# Altium PCB PCB1.PcbDoc (part 1 of 2) (continued)
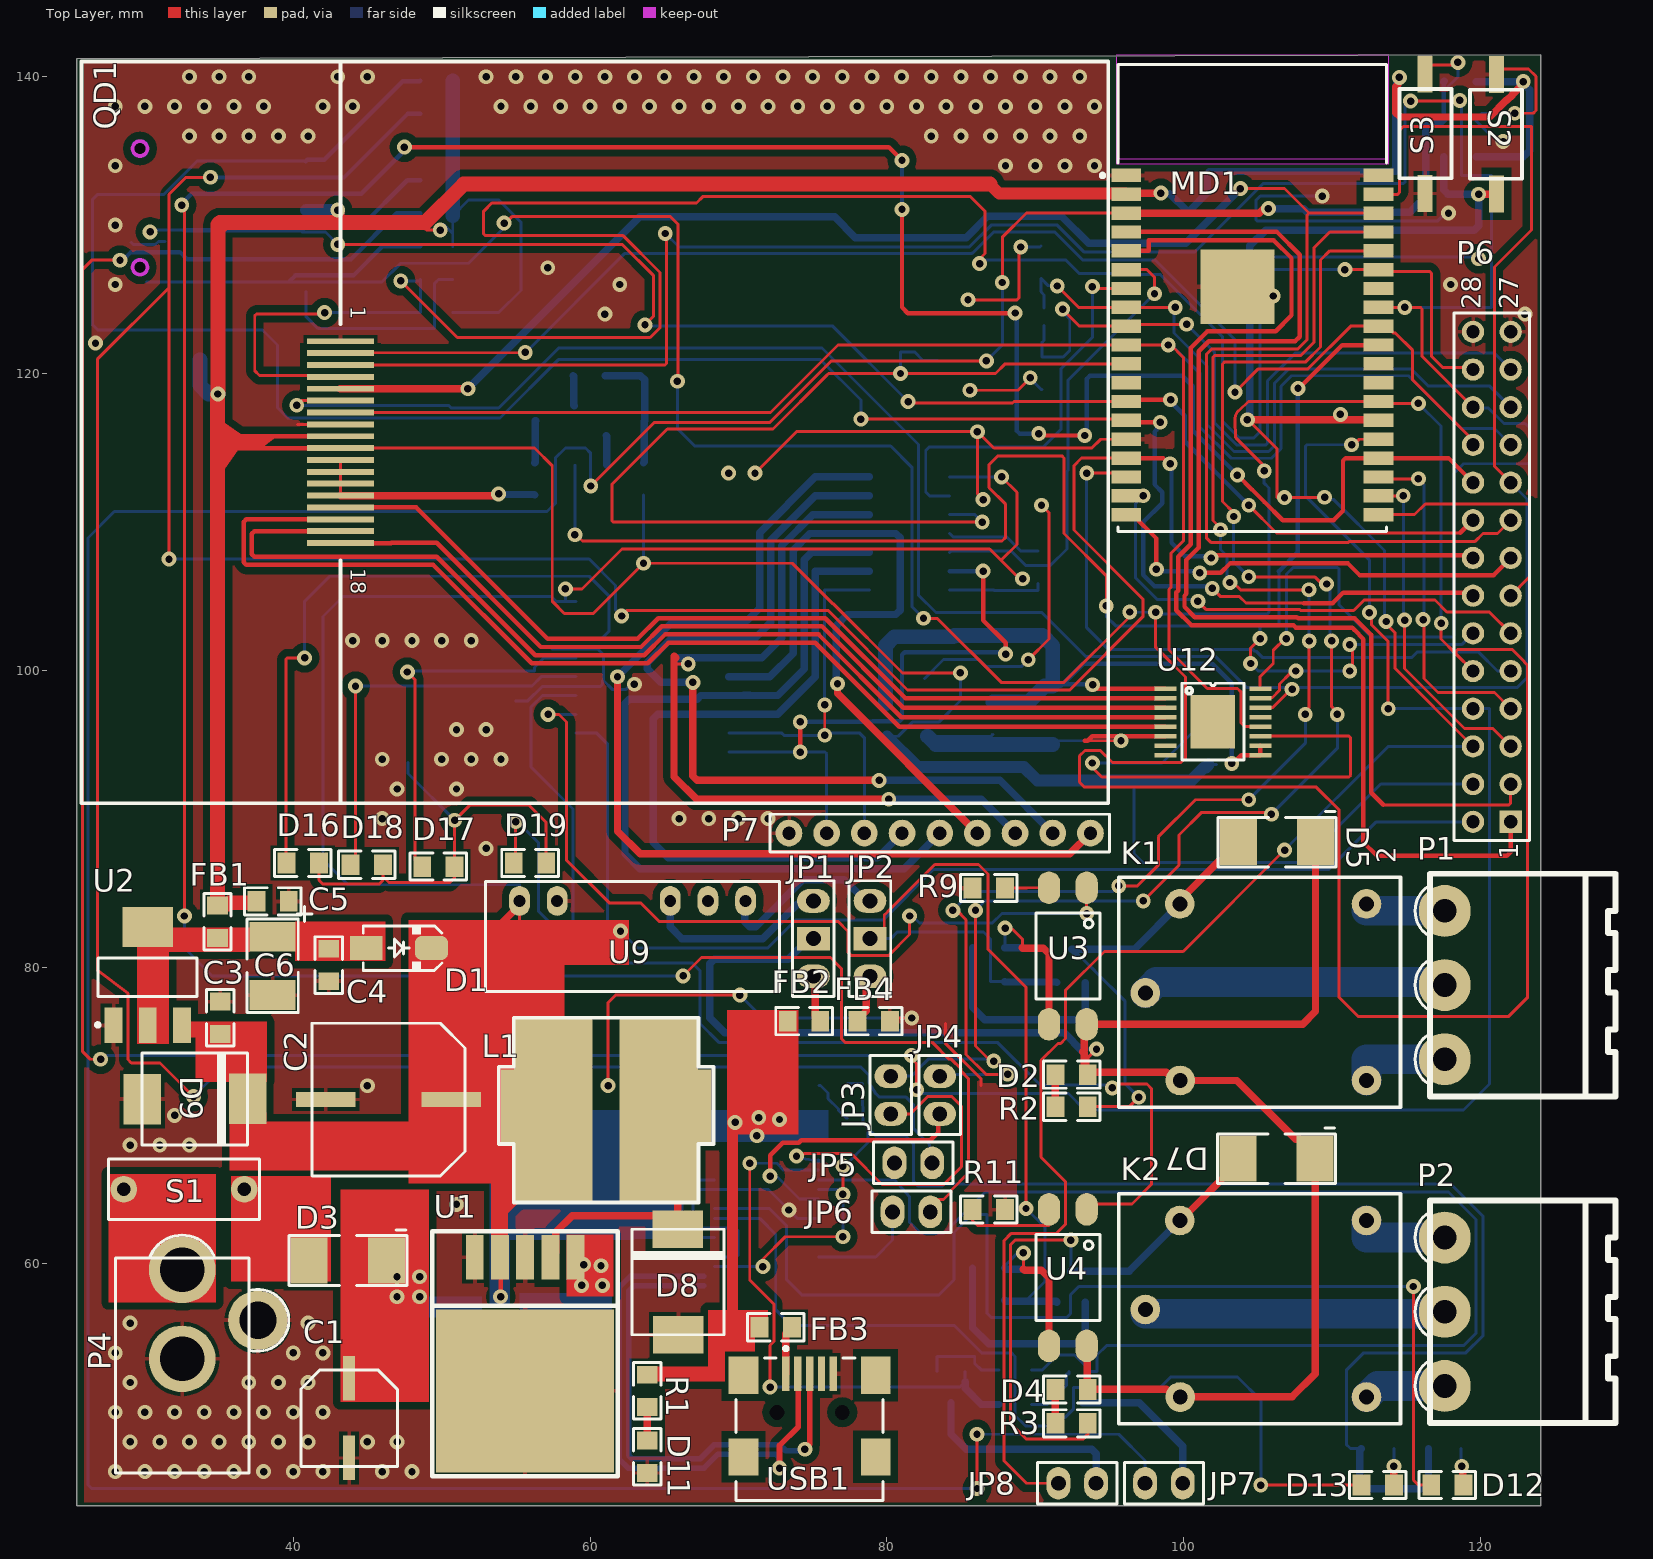
[diagram p0: Top Layer view]
## Footprints (in the part's own frame and the unit in brackets; to place one, negate y for a bottom-side part, rotate by r counter-clockwise, add the part's x,y. Pads: shape width x height; smd on the part's side, far side on the other; paste and mask are expansions set on the pad) (continued)
TVS [mm]
  rect 3.1x2.5 smd: 1(-0.025,-2.616) 2(-0.025,2.591)
  silkscreen extent -2.08,-3.99 1.65,3.96, body extent -1.5,-2.76 1.42,2.74, height 2.23
XTL_2_1610 [mm] "Crystals 1.6 mm x 1.0 mm"
  rrect50% 0.6x1 smd mask+0.1: 1(-0.6,0) 2(0.6,0)
  Top Layer pour cut-out: -0.8,-0.6 0.8,-0.6 0.8,0.6 -0.8,0.6
  silkscreen extent -1.1,-0.7 1.1,0.7, body extent -0.8,-0.5 0.8,0.5, height 0.5

## Part data
C1 C2: "Polarized Capacitor (Radial)", LatestRevisionDate=17-Jul-2002, LatestRevisionNote="Re-released for DXP Platform.", PackageReference=RB7.6-15, Published=8-Jun-2000, Publisher="Altium Limited"
C3 C4 C5 C7 C8 C9 C10 C11 C12 C13 C15 C16 C17 C19 C20: "Capacitor", LatestRevisionDate=17-Jul-2002, LatestRevisionNote="Re-released for DXP Platform.", PackageReference=RAD-0.3, Published=8-Jun-2000, Publisher="Altium Limited"
C6 C14 C18: "Polarized Capacitor (Axial)", LatestRevisionDate=17-Jul-2002, LatestRevisionNote="Re-released for DXP Platform.", PackageReference=POLAR0.8, Published=8-Jun-2000, Publisher="Altium Limited"
CN1: library part "Micro SD Card"
D1: library part DIODE_SMD_1N4007, "DIODE, GENERAL PURPOSE, 1000V/1A", ASSEMBLY=ASSEMBLY, DESC=DESCRIPTION, MANF=Kingtronics, MANF_P#=M7, PARAM="1000V VRRM", PARAM2=1A, PRICE=PRICE
D2 D4 D11 D12 D13 D16 D17 D18 D19: "Typical INFRARED GaAs LED", LatestRevisionDate=08-Jul-2005, LatestRevisionNote="Mech Layer 1 removed.", PackageReference=LED-0, Published=8-Jun-2000, Publisher="Altium Limited"
D3: "1 Amp General Purpose Rectifier", Code_JEDEC=DO-204-AL, ComponentLink1Description="Manufacturer Link", ComponentLink1URL=http://www.fairchildsemi.com/, ComponentLink2Description=Datasheet, ComponentLink2URL=http://www.fairchildsemi.com/ds/1N%2F1N4001.pdf, DatasheetVersion=1998, LatestRevisionDate=17-Jul-2002, LatestRevisionNote="Re-released for DXP Platform.", PackageReference=DO-41, PackageVersion=Aug-1999, Published=8-Jun-2000, Publisher="Altium Limited"
D5 D7: "Default Diode", Code_JEDEC=DO-214-AB, LatestRevisionDate=17-Jul-2002, LatestRevisionNote="Re-released for DXP Platform.", PackageReference=SMC, PackageVersion=Sep-1996, Published=8-Jun-2000, Publisher="Altium Limited"
D8 D9: library part "Diode 11DQ03", "Schottky Rectifier", Code_JEDEC=DO-204-AL, ComponentLink1Description="Manufacturer Link", ComponentLink1URL=http://www.irf.com/, ComponentLink2Description=Datasheet, ComponentLink2URL=http://www.irf.com/product-info/datasheets/data/11dq03.pdf, DatasheetVersion=Dec-1997, LatestRevisionDate=17-Jul-2002, LatestRevisionNote="Re-released for DXP Platform.", PackageReference=DO-204AL, Published=8-Jun-2000, Publisher="Altium Limited"
FB1 FB2 FB3 FB4 FB5 FB6: library part Inductor, "Inductor", Code_IEC=1005, Code_JEITA=0402, LatestRevisionDate=29-May-2009, LatestRevisionNote="IPC-7351 Footprint Added.", PackageDescription="Chip Inductor", PackageReference=0402-A, Published=8-Jun-2000, Publisher="Altium Limited"
JP1 JP2: library part JUMPER_HDR_3P, "JUMPER, HEADER 3PIN", MANF=MANF, MANF_P#=MANF_P#
JP3 JP4 JP5 JP6 JP7 JP8: library part JUMPER_HDR_2P, "JUMPER, HEADER 2PIN", MANF=MANF, MANF_P#=MANF_P#
K1 K2: "SPDT Relay", LatestRevisionDate=17-Jul-2002, LatestRevisionNote="Re-released for DXP Platform.", PackageReference=MODULE5B, Published=8-Jun-2000, Publisher="Altium Limited"
MD1: library part CMP-194065-000001-1, "SMD MODULE, ESP32-D0WDQ6, 32MBIT", Manufacturer=Espressif, Max Frequency=2484MHz, Max Supply Voltage=3.6V, Min Supply Voltage=2.3V, Nominal Supply Current=500mA, Temperature="-40°C to +85°C", Temperature Range High=+85°C, Temperature Range Low=-40°C, Automotive=No, Category=UNK, ComponentLink2Description=Datasheet, ComponentLink2URL=https://www.espressif.com/sites/default/files/documentation/esp32-wrover_datasheet_en.pdf, Data Rate=150Mbits/s, Device Class L1="Integrated Circuits (ICs)", Device Class L2="RF Semiconductors and Devices", Device Class L3=Transceivers, Digikey Description="SMD MODULE, ESP32-D0WDQ6, 32MBIT", Height=3.4mm, Interface=I2C,SPI,UART,I2S,Other, Lead Free=Yes, Manufacturer Part Number=ESP32-WROVER-I, Number Of Adc Channels=16, Number Of Gpio=20, Octopart=https://octopart.com/esp32-wrover-i-espressif+systems-89171349, Package=ESP32-WROVER-I, RoHS=TRUE, Sensitivity=-98dBm
P1 P2: "Header, 3-Pin", LatestRevisionDate=17-Jul-2002, LatestRevisionNote="Re-released for DXP Platform.", Publisher="Altium Limited"
P4: "Header, 2-Pin", LatestRevisionDate=17-Jul-2002, LatestRevisionNote="Re-released for DXP Platform.", Publisher="Altium Limited"
P6: "Header, 14-Pin, Dual row", LatestRevisionDate=17-Jul-2002, LatestRevisionNote="Re-released for DXP Platform.", Publisher="Altium Limited"
P7: "Header, 9-Pin", LatestRevisionDate=17-Jul-2002, LatestRevisionNote="Re-released for DXP Platform.", Publisher="Altium Limited"
Q1 Q2 Q5 Q6: library part 2N3904, "NPN General Purpose Amplifier", Code_JEDEC=TO-92A, ComponentLink1Description="Manufacturer Link", ComponentLink1URL=http://www.fairchildsemi.com/, ComponentLink2Description=Datasheet, ComponentLink2URL=http://www.fairchildsemi.com/ds/2N%2F2N3904.pdf, DatasheetVersion=1997, LatestRevisionDate=15-Jan-2003, LatestRevisionNote="PCB Footprint 'BCY-W3/D4.7' replaced", PackageReference=TO-92A, PackageVersion=Sep-1998, Published=8-Jun-2000, Publisher="Altium Limited"
Q7 Q8: library part NPN_SS8050_SOT23, "BJT, NPN, 25v, 1.5A, SMD, SOT23", MANF=GALAXY, MANF_P#=SS8050, PARAM="25v, 1.5A", PARAM2=300mW
QD1: library part FPC240A8230-V1-E
R1 R2 R3 R5 R6 R7 R9 R10 R11 R14 R15 R20 R21 R22 R23 R24 R25 R26 R27 R28 R29 R30 R31 R32 R33 R34 R35 R36 R37 R38: "Resistor", LatestRevisionDate=17-Jul-2002, LatestRevisionNote="Re-released for DXP Platform.", PackageReference=AXIAL-0.3, Published=8-Jun-2000, Publisher="Altium Limited"
S1: "Single-Pole, Single-Throw Switch", LatestRevisionDate=17-Jul-2002, LatestRevisionNote="Re-released for DXP Platform.", PackageReference=SPST-2, Published=24-Mar-1999, Publisher="Altium Limited"
S2 S3: "Switch", LatestRevisionDate=17-Jul-2002, LatestRevisionNote="Re-released for DXP Platform.", PackageReference=SPST-2, Published=24-Mar-1999, Publisher="Altium Limited"
U1: "SIMPLE SWITCHER; 3A Step-Down Voltage Regulator", DigiKeyPartNumber=LM2576HVT-5.0-ND, Manufacturer="National Semiconductor", PackageTopMarking="NSUZXYTT*LM2576HVT*-5.0 P+", PowerWise=N, Code_JEDEC=TO-220-AB, ComponentLink1Description="LM2576HV Datasheet", ComponentLink1URL=http://www.national.com/ds/LM/LM2576HV.pdf, ComponentLink2Description="LM2576HV Web Page", ComponentLink2URL=http://www.national.com/pf/LM/LM2576HV.html, ComponentLink3Description="T05A Package Page", ComponentLink3URL=http://www.national.com/packaging/folders/t05a.html, CompType=Switcher, DatasheetVersion=Aug-2004, PackageDescription="TO-220, Molded, 5 Lead, Straight", PackageReference=T05A, PackageVersion="revJ, Jan-1992", PartNumber=LM2576HVT-5.0, PinCount=5, Published=4-Dec-2008, Publisher="Altium Limited", RoHS=O
U2: library part LD1117DT33
U3 U4: "4-Pin Phototransistor Optocoupler", DatasheetVersion=Nov-2003, LatestRevisionDate=04-Mar-2005, LatestRevisionNote="Sch pins 3 & 4 Swapped.", PackageReference=DIP-4, Published=24-Mar-1999, Publisher="Altium Limited"
U9: "DC-DC Converter, Isolated, 1W", DESC=https://www.minmax.com.tw/cn/download/files/228/MAU200_Datasheet.pdf, MANF=MINMAX, MANF_P#=MAU202, PARAM="200mA, -40~85°C", PARAM2="4.5~5.5(5)Vin, 5Vout, 1W"
U10: "Octal Bus Buffer with 3 State Outputs (Non Inverted)", Code_JEDEC=MS-015-AE, ComponentLink1Description="Manufacturer Link", ComponentLink1URL=http://www.st.com/, DatasheetVersion=Oct-1993, LatestRevisionDate=06-Jun-2005, LatestRevisionNote="Stylized 3D Model Added.", PackageDescription="DIP; 20 Leads; Row Spacing 7.62 mm; Pitch 2.54 mm", PackageReference=DIP20, PackageVersion=Jun-1998, Published=8-Jun-2000, Publisher="Altium Limited"
U11: "8 Bit Shift Register with Output Latches (3 STATE)", Code_IPC=SOIC127P600-16, ComponentLink1Description="Manufacturer Link", ComponentLink1URL=http://www.st.com/, ComponentLink2Description=Datasheet, ComponentLink2URL=http://www.st.com/stonline/products/literature/ds/1989/m74hc595.pdf, DatasheetVersion=Apr-1993, LatestRevisionDate=13-Apr-2006, LatestRevisionNote="IPC-7351 Footprint Added.", PackageDescription="16-Pin Small Outline Integrated Circuit 1.27 mm Pitch", PackageReference=SO16, PackageVersion=May-1998, Published=8-Jun-2000, Publisher="Altium Limited"
X1: library part XTL_2_32.768_1610A, "Crystal, 32.768KHz, 9pF, 20PPM", MANF=ABRACON, MANF_P#=ABS05-32.768KHZ-9-T, PARAM=-40~85oC, PARAM2="9pF, 20PPM", PRICE=0.8$
L1: Code_IEC=1005, Code_JEITA=0402, LatestRevisionDate=29-May-2009, LatestRevisionNote="IPC-7351 Footprint Added.", PackageDescription="Chip Inductor", PackageReference=0402-A, Published=8-Jun-2000, Publisher="Altium Limited"

## Via types
v1: diameter 1, hole 0.5, Top Layer to Bottom Layer, tented both sides, 341 vias
v2: diameter 1, hole 0.5, Top Layer to Bottom Layer, 4 vias
v3: diameter 1.2, hole 1.2, Top Layer to Bottom Layer, tented both sides, 2 vias

## Nets (pads, with @x,y where several pads share a name; then routed paths per layer and width w, separated by ;. In a path a pad name is that pad's centre, name@x,y a point inside that pad or via, vN(x,y) a via of type N, cw(c..) or ccw(c..) an arc to the next point about the centre after c; other vN are vias at no path point)
3V3: C5.2 C13.2 C19.2 CN1.4 FB1.2 FB5.1 MD1.2 P6.4 QD1.9 QD1.10 R24.2 R25.1 R26.1 R27.1 R28.1 R29.1 R30.2 R31.1 R32.1 R34.2 R36.2 | length 345
  Top Layer w0.2: FB1.2@34.9,84.25 FB1.2@35.593,84.25 ; 34.9,116.865 35.758,116.007 35.758,115.724 35.785,115.697 36.068,115.697 ; 34.925,129.159 35.941,130.175 ; 36.804,115.774 37.135,115.443 37.592,114.986 ; QD1.10@43.18,114.986 56.261,114.986 57.455,113.792 57.455,104.648 58.268,103.835 60.223,103.835 v1(63.602,107.213) 73.635,107.213 76.36,104.488 76.385,104.488 81.051,99.822 v1(84.963,99.822) ; 48.895,129.743 48.971,129.667 v1(49.911,129.667)
  Top Layer w0.3: QD1.10@43.18,114.974 37.592,114.974 35.345,114.974 35.814,115.443 36.145,115.774 36.804,115.774 QD1.9@43.18,115.774
  Top Layer w0.5: MD1.2@96.139,132.08 96.203,132.143 v1@98.361,132.143 ; v1@114.446,139.465 114.3,139.319 114.3,137.58 114.593,137.287 120.633,137.287 121.753,138.407 121.789,138.407 122.142,138.761 122.142,138.785 122.897,139.539 v1(122.897,139.675)
  Top Layer w0.8: v1(42.998,131.009) 43.037,130.971 43.037,130.191 43.053,130.175 ; 86.946,132.764 87.58,132.13 96.089,132.13 MD1.2@96.139,132.08
  Top Layer w1: FB1.2@34.9,84.15 34.95,84.2 34.9,84.25 34.9,114.974 34.9,116.865 34.9,118.593 v1(34.925,118.618) 34.925,129.159 34.925,130.048 35.052,130.175 35.941,130.175 43.053,130.175 48.895,130.175 51.484,132.764 86.946,132.764 ; FB1.2@35.593,84.25 35.67,84.328 37.416,84.328 37.516,84.428 C5.2@37.516,84.43
  Bottom Layer w0.2: v1(49.911,129.667) 49.911,129.819 50.14,130.048 50.749,129.438 ; R31.1@50.749,124.104 53.848,124.104 55.347,125.603 55.347,130.2 53.848,131.699 51.816,131.699 50.749,130.632 50.749,129.438 ; R32.1@50.749,128.568 50.749,129.438 ; v1(63.602,107.213) R36.2@63.602,111.811 ; FB5.1@79.908,95.555 80.008,95.555 80.772,95.555 81.722,96.505 83.5,96.505 84.963,97.968 v1(84.963,99.822) ; 96.647,92.583 96.647,87.63 97.243,87.034 107.999,87.034 108.458,87.493 113.294,92.329 117.683,92.329 P6.4@119.507,92.329 ; R30.2@101.702,93.65 R30.2@102.235,93.65 ; 114.212,139.192 v1@114.212,139.612 ; 114.292,137.998 114.402,137.888 114.402,137.516 114.402,133.594 ; 122.897,134.595 123.038,134.595 123.038,134.735
  Bottom Layer w0.5: v1@98.521,132.111 99.081,132.111 100.205,130.988 C13.2@100.305,130.988 100.405,130.988 101.59,132.174 101.59,133.467 101.735,133.612 113.999,133.612 114.024,133.637 114.292,133.637 114.292,137.998 114.292,139.272 114.446,139.426 114.446,139.858 v1(114.542,139.954) ; R24.2@119.71,134.595 122.897,134.595 ; R34.2@119.71,139.675 v1(122.897,139.675) 122.897,139.552 123.317,139.132 123.317,135.015 123.038,134.735
  Bottom Layer w0.8: CN1.4@40.847,131.009 v1(42.998,131.009) ; FB5.1@80.008,95.555 82.08,93.483 89.237,93.483 90.137,92.583 96.647,92.583 100.535,92.583 101.402,93.45 101.502,93.45 R30.2@101.702,93.65
  Bottom Layer w1: C19.2@33.706,120.929 33.706,119.204 34.292,118.618 v1(34.925,118.618) ; R29.1@50.749,130.632 R29.1@50.749,130.799 R28.1@50.749,133.031 R27.1@50.749,135.262 R26.1@50.749,137.494 R25.1@50.749,139.725
  other v1: 98.473,132.159
3V3A: C17.2 C18.1 FB5.2 U12.1 U12.9 U12.10 | length 51.5
  Top Layer w0.3: v1(93.872,99.02) 94.069,98.823 94.069,98.76 U12.1@98.781,98.76 ; v1@103.152,93.726 103.341,93.726 103.895,94.28 U12.9@105.181,94.28 U12.10@105.181,94.92
  Bottom Layer w0.3: C18.1@91.184,98.942 91.456,98.942 91.734,98.942 C18.1@91.852,99.06 ; v1(93.872,99.02) 93.512,99.02 93.472,99.06 C18.1@91.852,99.06 ; v1@103.246,93.821 103.246,99.12 101.927,100.439 93.231,100.439 C18.1@91.852,99.06
  Bottom Layer w1: FB5.2@79.908,97.739 79.908,101.649 80.514,102.255 84.478,102.255 84.565,102.342 90.491,102.342 91.184,101.649 C18.1@91.184,98.942 90.634,98.942 89.558,97.866 C17.2@87.147,97.866
  other v1: 103.246,93.726
5V0: C2.1 C3.2 C8.2 C9.2 C10.2 C11.2 C12.1 D1.2 D9.2 FB2.1 FB3.2 L1.2 P6.2 R1.2 U1.4 U2.3 U6.20 U9.1 U10.20 U11.10 U11.16 | length 343.5
  Top Layer w0.2: D1.2@49.317,81.28 49.536,81.28 52.37,81.28 54.229,81.28 55.245,82.296 55.245,83.058 ; C2.1@50.648,71.069 50.927,71.069 51.689,71.069 53.95,73.33 54.762,73.33 55.486,72.607 56.921,71.171 57.531,70.561 L1.2@57.531,70.358 56.388,70.358 56.134,70.612 L1.2@54.991,70.612 ; U9.1@55.245,84.455 55.245,84.155 55.245,83.058 ; v1(58.344,105.486) 59.461,105.486 62.154,108.179 86.931,108.179 87.702,107.408 88.938,106.172 v1(89.154,106.172) ; v1(62.052,82.423) 55.88,82.423 55.245,83.058 ; v1(69.774,69.53) 69.774,56.744 70.612,55.905 FB3.2@71.247,55.905 ; v1(71.247,68.631) 71.247,75.184 72.415,76.352 FB2.1@73.33,76.352 ; 87.736,107.442 88.773,108.479 88.773,111.993 v1(87.736,113.03)
  Top Layer w0.3: U1.4@53.926,60.435 53.975,60.386 v1(53.975,57.785)
  Top Layer w0.5: U2.3@32.491,76.073 32.491,75.839 32.841,75.489 C3.2@35.077,75.489 35.077,73.424 36.932,71.57 D9.2@36.932,71.12 37.932,70.12 37.932,68.494 38.608,67.818 50.634,67.818 50.927,68.111 50.927,71.069 50.927,79.67 50.074,80.523 50.074,80.741 D1.2@49.536,81.28 ; C2.1@51.689,71.069 54.991,71.069 56.82,71.069 L1.2@57.531,70.358 57.531,66.808 53.926,63.203 U1.4@53.926,60.435 ; 52.37,81.28 U9.1@55.245,84.155 ; R1.2@63.856,52.527 63.932,52.451 68.199,52.451 68.58,52.832 68.58,55.372 68.961,55.753 FB3.2@71.399,55.753 ; FB3.2@71.247,55.905 FB3.2@71.399,55.753 ; FB3.2@71.425,55.728 FB3.2@71.399,55.753
  Bottom Layer w0.2: U9.1@55.245,84.455 55.245,85.547 43.688,85.547 42.012,87.224 42.012,103.632 43.358,104.978 C11.2@56.033,104.978 57.379,104.978 57.709,104.648 U10.20@58.344,104.648 ; v1(58.344,105.486) U10.20@58.344,104.648 ; U10.20@59.055,104.648 U10.20@58.344,104.648 ; v1(62.052,82.423) 63.195,81.28 71.984,81.28 73.889,83.185 79.756,83.185 83.155,86.584 109.786,86.584 112.991,89.789 P6.2@119.507,89.789 ; U6.20@68.382,61.763 62.91,61.763 61.681,62.992 61.681,68.219 62.992,69.53 v1(69.774,69.53) ; v1(71.247,68.631) 72.898,68.631 73.279,69.012 C9.2@73.279,69.825 ; U11.16@84.238,105.41 87.224,105.41 87.273,105.361 90.195,105.361 C12.1@90.195,105.842 ; U11.10@84.238,113.03 v1(87.736,113.03)
  Bottom Layer w0.3: v1(53.975,57.785) 53.975,61.214 54.524,61.763 60.452,61.763 ; 62.91,61.763 60.452,61.763 ; C10.2@75.438,69.825 C9.2@73.279,69.825 C8.2@71.12,69.825 69.774,69.825 62.586,69.825 60.452,67.691 60.452,61.763
  other v1: 72.771,69.723 71.374,69.85
12V0: C1.1 D3.2 U1.1 | length 38.4
  Top Layer w0.2: 46.279,56.998 v1@48.412,59.131 ; v1@60.737,58.07 60.737,58.262 v1(60.737,59.868)
  Top Layer w0.5: C1.1@43.764,52.299 44.806,52.299 46.279,53.772 46.279,56.998 ; D3.2@46.279,60.223 46.279,56.998 ; 46.414,56.998 46.279,56.998 ; U1.1@59.026,60.435 59.026,59.535 60.299,58.262 60.737,58.262 60.833,58.166 v1@60.737,58.07
  Bottom Layer w0.2: 46.414,56.998 48.412,58.996 v1@48.412,59.131 ; 60.737,56.935 60.737,58.07 v1(60.737,59.868)
  Bottom Layer w0.5: 46.414,56.998 46.77,56.642 60.444,56.642 60.737,56.935
  other v1: 46.99,57.785 48.514,57.785 59.436,58.547 60.833,58.547 46.99,59.131 48.514,59.131 59.563,59.944
ADC_GND: C17.1 C18.2 FB6.2 U12.6 | length 25.7
  Top Layer w0.2: 93.534,95.25 v1(95.783,95.25)
  Top Layer w0.3: 93.345,95.25 93.534,95.25 93.844,95.56 U12.6@98.781,95.56
  Bottom Layer w0.2: FB6.2@82.652,95.555 82.752,95.555 87.02,95.555 C17.1@87.147,95.682 ; C18.2@91.429,95.25 93.534,95.25 v1(95.783,95.25)
  Bottom Layer w0.3: C18.2@91.184,95.005 C18.2@91.429,95.25
  Bottom Layer w1: FB6.2@82.752,95.555 83.301,95.005 C18.2@91.184,95.005
CLK: MD1.20 P6.13 | length 17.1
  Top Layer w0.2: MD1.20@113.139,110.49 115.57,110.49 116.293,111.213 123.2,111.213 123.317,111.096 123.317,106.299 P6.13@122.047,105.029
CMD: MD1.19 P6.15 | length 29.8
  Top Layer w0.3: MD1.19@96.139,110.49 96.563,110.49 98.171,108.882 v1(98.171,106.807) ; v1(101.091,106.564) 102.497,106.564 103.132,107.199 111.081,107.199 111.861,106.419 120.897,106.419 P6.15@122.047,107.569
  Bottom Layer w0.3: v1(98.171,106.807) 98.309,106.669 100.986,106.669 v1(101.091,106.564)
CTS: JP6.1 U6.11 | length 7.4
  Bottom Layer w0.2: U6.11@75.382,60.463 79.248,60.463 80.391,61.606 JP6.1@80.391,63.5
DTR: Q6.2 R20.1 U6.2 | length 37.8
  Top Layer w0.2: v1(70.764,66.777) 70.764,58.903 72.39,57.277 72.39,54.762 72.136,54.508 v1(72.136,51.689)
  Bottom Layer w0.2: v1(70.764,66.777) 72.592,66.777 73.056,66.313 U6.2@75.382,66.313 ; v1(72.136,51.689) 84.897,51.689 85.278,52.07 Q6.2@85.278,52.739
  Bottom Layer w0.5: 85.278,52.07 85.278,51.603 86.36,50.521 R20.1@87.554,50.521
EN: C20.2 JP7.1 MD1.3 R34.1 S3.2 | length 265
  Top Layer w0.2: v1(60.046,112.42) 64.338,116.713 72.137,116.713 76.277,120.853 v1(86.716,120.853) ; v1(86.081,44.856) v1(86.081,48.514) ; v1(87.782,126.136) 87.782,129.184 89.408,130.81 MD1.3@96.139,130.81 ; S3.2@116.281,140.593 116.493,140.805 118.326,140.805 v1(118.491,140.97)
  Top Layer w0.5: MD1.3@96.139,130.81 105.107,130.81 105.414,131.117 v1(105.717,131.117) ; S3.2@116.281,140.593 S3.2@116.531,140.843
  Bottom Layer w0.2: v1(60.046,112.42) 60.046,114.63 59.69,114.986 58.344,114.986 57.658,114.3 57.658,111.252 57.099,110.693 27.94,110.693 26.162,108.915 26.162,45.11 26.416,44.856 v1(86.081,44.856) ; v1(86.081,48.514) 95.631,48.514 97.409,46.736 JP7.1@97.409,45.212 ; v1(86.716,120.853) 87.782,121.92 v1(87.782,126.136) ; R34.1@117.564,139.713 117.564,139.078 117.526,139.04 118.491,140.005 v1(118.491,140.97)
  Bottom Layer w0.3: C20.2@117.526,137.135 117.526,139.04 R34.1@117.526,139.675
  Bottom Layer w0.5: v1(105.717,131.117) 108.096,131.117 108.346,130.867 115.246,130.867 116.332,131.953 116.332,136.842 116.469,136.978 117.37,136.978 C20.2@117.526,137.135 ; R34.1@117.526,139.675 R34.1@117.564,139.713
GND: C1.2 C2.2 C3.1 C4.1 C5.1 C6.2 C7.1 C8.1 C9.1 C10.1 C11.1 C12.2 C13.1 C14.2 C15.1 C16.1 C19.1 C20.1 CN1.6 CN1.10 CN1.11 CN1.12 CN1.13 D8.1 D9.1 D11.2 FB4.1 FB6.1 MD1.1 MD1.15 MD1.38 MD1.39 P4.1 P6.27 P6.28 P7.9 Q7.2 Q8.2 QD1.1 QD1.8 R9.2 R11.2 R22.2 R23.1 S2.1 S3.1 U1.3 U1.5 U2.1 U6.7 U6.18 U6.21 U6.25 U6.26 U9.2 U10.1 U10.10 U10.19 U11.8 U11.13 USB1.5 | length 179.5
  Top Layer w0.2: 40.28,116.574 QD1.8@43.18,116.574 ; v1(61.214,72.009) 61.214,77.597 61.722,78.105 v1(70.104,78.105) ; v1(71.12,113.284) 73.914,116.078 v1(86.106,116.078) ; FB4.1@80.213,76.352 80.426,76.565 v1(81.686,76.565) v1@81.899,76.565 ; 83.947,76.2 83.947,74.87 86.36,72.457 86.36,72.009 ; v1(85.471,124.968) 88.783,124.968 88.9,125.085 88.9,128.397 v1(89.027,128.524) ; v1(85.598,118.872) 88.835,118.872 89.611,119.648 89.611,119.71 v1(89.673,119.71) ; v1(86.487,111.506) 86.106,111.887 v1(86.106,116.078) ; v2(89.535,100.711) 90.932,102.108 90.932,110.617 v2(90.424,111.125) ; MD1.15@96.139,115.57 94.414,115.57 93.818,114.974 87.21,114.974 v1(86.106,116.078) ; S2.1@121.082,140.157 121.449,140.525 123.249,140.525 123.747,140.027 123.747,137.717 123.571,137.541 v2(122.317,137.541)
  Bottom Layer w0.2: 29.062,128.842 29.214,128.69 30.705,128.69 30.92,128.905 31.369,128.905 ; 54.991,97.917 55.777,97.917 56.758,98.898 60.671,98.898 60.833,99.06 60.833,99.315 ; 57.439,101.438 60.524,101.438 60.9,101.062 60.9,99.315 61.497,98.718 62.434,98.718 62.776,99.06 v1(62.992,99.06) ; U6.18@68.382,60.463 68.393,60.452 69.86,60.452 69.977,60.569 69.977,62.23 69.794,62.413 U6.21@68.382,62.413 67.046,62.413 66.929,62.53 66.929,65.151 ; U6.26@68.382,65.663 67.06,65.663 66.929,65.532 66.929,65.151 ; v1(70.104,78.105) 71.644,76.565 v1(81.686,76.565) ; U6.7@75.382,63.063 73.973,63.063 73.409,63.627 v1(73.406,63.627) 72.02,65.013 U6.25@68.382,65.013 67.067,65.013 66.929,65.151 ; C10.1@75.438,72.009 75.538,72.009 76.038,71.509 76.038,71.13 76.743,70.425 76.743,70.325 77.243,69.825 C7.1@77.343,69.825 ; 82.55,99.441 83.828,100.719 86.225,100.719 86.702,100.242 89.066,100.242 v2(89.535,100.711) ; U11.13@84.238,109.22 84.488,108.97 88.093,108.97 89.037,108.026 C12.2@90.195,108.026 ; v1(89.027,128.524) 90.308,128.524 C16.1@90.384,128.6 ; v1@89.662,119.721 v1(89.673,119.71) 89.673,119.658 90.408,118.923 C15.1@90.449,118.923 ; v2(109.347,131.953) 109.22,131.953 109.206,131.967 105.17,131.967 104.867,131.664 104.867,130.384 104.984,130.267 117.097,130.267 117.64,130.81 v1(117.856,130.81) ; v1(121.539,135.636) 121.386,135.789 120.956,135.789 119.71,137.035 C20.1@119.71,137.135 120.117,137.541 v2(122.317,137.541)
  other v1: 28,46 30,46 32,46 34,46 36,46 38,46 40,46 42,46 46,46 48,46 29,48 31,48 33,48 35,48 37,48 39,48 41,48 45,48 47,48 28,50 30,50 32,50 34,50 36,50 38,50 40,50 42,50 29,52 37,52 39,52 41,52 28,54 40,54 42,54 29,56 41,56 51,64 29,68 31,68 33,68 32,70 45,72 53,88 46,90 66,90 68,90 70,90 72,90 47,92 51,92 46,94 50,94 52,94 54,94 51,96 53,96 44,102 46,102 48,102 50,102 52,102 69.342,113.284 26.67,122.047 61,124 123,124 106.045,125.222 28,126 62,126 118,126 57.15,127.127 28,130 28,134 88,134 90,134 92,134 94,134 33,136 35,136 37,136 39,136 41,136 83,136 85,136 87,136 89,136 91,136 93,136 28,138 30,138 32,138 34,138 36,138 38,138 42,138 44,138 54,138 56,138 58,138 60,138 62,138 64,138 66,138 68,138 70,138 72,138 74,138 76,138 78,138 80,138 82,138 84,138 86,138 88,138 90,138 92,138 94,138 33,140 35,140 37,140 43,140 45,140 53,140 55,140 57,140 59,140 61,140 63,140 65,140 67,140 69,140 71,140 73,140 75,140 77,140 79,140 81,140 83,140 85,140 87,140 89,140 91,140 93,140
GND_ISOLATED: JP2.3 U9.7 | length 11.9
  Bottom Layer w0.5: U9.7@70.485,84.455 70.438,84.408 70.438,83.058 70.773,82.723 71.187,82.723 74.34,85.876 77.146,85.876 78.567,84.455 JP2.3@78.867,84.455
GNDx: JP2.2 Q1.2 Q2.2 R7.1 R10.1 | length 62.5
  Top Layer w0.2: JP2.2@78.867,81.915 79.129,81.915 79.829,82.615 79.829,83.512 79.838,83.521 ccw(c79.167,84.455) 80.101,83.784 83.236,86.919 86.182,86.919 86.829,86.272 86.829,81.192 89.383,78.638 v1(89.383,63.729)
  Bottom Layer w0.2: JP2.2@78.867,81.915 80.264,81.915 80.704,82.355 86.521,82.355 86.995,81.881 86.995,79.019 R7.1@87.96,79.019 ; R10.1@87.96,57.556 89.408,57.556 90.654,58.803 90.654,62.457 v1(89.383,63.729)
  Bottom Layer w0.5: R10.1@87.96,57.556 88.032,57.484 91.411,57.484 91.461,57.434 Q2.2@91.461,57.412 ; R7.1@87.96,79.019 87.99,78.99 91.431,78.99 Q1.2@91.461,78.96
IO0: JP8.1 MD1.25 P6.6 R24.1 S2.2 | length 167
  Top Layer w0.2: JP8.1@91.567,45.212 89.408,45.212 87.884,46.736 87.884,61.544 88.392,62.052 91.44,62.052 92.05,62.662 92.05,65.532 90.399,67.183 90.399,73.711 91.542,74.854 91.719,74.854 92.05,75.184 92.05,78.435 94.666,81.051 99.974,81.051 v1(106.807,87.884) ; v1@104.35,116.884 106.299,114.935 106.299,111.633 106.895,111.633 109.474,111.633 v1(109.504,111.663) ; v1(110.566,117.246) 110.929,116.884 110.973,116.84 ; v1(113.652,103.287) 113.652,103.123 114.242,102.533 114.242,100.134 P6.6@119.507,94.869
  Top Layer w0.5: v1(104.306,116.884) 104.35,116.884 110.929,116.884 113.095,116.884 MD1.25@113.139,116.84 ; v1(119.888,132.08) 121.056,132.08 S2.2@121.082,132.105
  Bottom Layer w0.2: 104.47,126.543 105.777,127.85 119.775,127.85 v1(119.888,127.737) ; v1(106.807,87.884) 113.792,94.869 P6.6@119.507,94.869 ; v1(109.504,111.663) 109.621,111.545 109.621,111.521 110.094,111.521 113.538,108.077 113.538,103.401 v1(113.652,103.287)
  Bottom Layer w0.5: v1(104.306,116.884) 104.306,116.975 104.469,117.138 104.469,126.543 104.469,128.599 105.537,129.667 119.595,129.667 119.888,129.96 v1(119.888,132.08) 117.819,132.08 117.526,132.373 R24.1@117.526,134.595
  other v1: 106.804,111.633
IO2: CN1.7 MD1.24 P6.8 R29.2 | length 233.3
  Top Layer w0.2: v1(27.012,73.787) 26.314,73.787 25.806,74.295 25.806,127.025 26.416,127.635 v1(28.321,127.635) ; v1(81.661,74.041) 81.661,73.84 82.005,73.496 v1(82.005,71.726) ; v1(111.328,115.2) 111.342,115.214 111.48,115.214 111.836,115.57 MD1.24@113.139,115.57 ; v1(112.522,103.886) 112.651,103.757 112.651,103.086 113.792,101.945 v1(113.792,97.409)
  Bottom Layer w0.2: v1(27.012,73.787) 27.228,73.787 27.482,74.041 v1(81.661,74.041) ; v1(82.005,71.726) 82.164,71.567 82.164,71.476 92.239,71.476 93.347,70.368 118.872,70.368 120.625,72.12 120.625,97.409 P6.8@119.507,97.409 v1(113.792,97.409) ; v1(111.328,115.2) 108.321,115.2 108.204,115.083 108.204,111.76 112.522,107.442 v1(112.522,103.886)
  Bottom Layer w0.3: v1(28.321,127.635) 28.51,127.635 29.062,128.186 32.364,128.186 32.841,127.71 CN1.7@40.847,127.71 43.89,127.71 46.979,130.799 R29.2@48.565,130.799
IO4: CN1.8 MD1.26 P6.10 R32.2 | length 255.7
  Top Layer w0.2: v1(54.209,130.136) 54.294,130.136 54.726,130.568 65.418,130.568 65.938,130.048 65.938,119.532 v1(65.888,119.482) ; v1(82.474,103.505) 83.388,103.505 87.706,99.187 91.948,99.187 96.393,103.632 96.393,103.911 v1(96.376,103.928) ; v1(98.12,103.911) 98.12,101.549 100.127,99.543 100.127,94.082 99.822,93.777 95.211,93.777 94.386,94.601 93.357,94.601 92.989,94.234 92.989,92.456 93.321,92.124 108.942,92.124 110.49,90.576 110.49,77.953 111.76,76.683 121.92,76.683 123.165,77.927 123.165,100.355 122.965,100.555 122.981,100.571 122.163,101.389 122.131,101.389 118.467,101.389 118.35,101.272 118.35,101.106 ; v1(105.435,113.439) 105.41,113.464 105.41,113.792 103.559,115.643 103.5,115.702 103.457,116.852 cw(c104.306,116.884) 103.726,117.505 104.374,118.11 MD1.26@113.139,118.11 113.266,117.983 114.478,117.983 v1(115.824,117.983) ; v1(117.372,103.165) 117.348,103.141 117.348,102.108 118.35,101.106 ; P6.10@119.507,99.949 118.35,101.106
  Bottom Layer w0.2: 30.124,126.162 39.747,126.162 45.966,126.162 47.236,127.432 51.816,127.432 52.936,128.552 54.056,129.672 54.056,129.983 v1(54.209,130.136) ; v1(65.888,119.482) 65.888,116.281 67.056,115.113 80.264,115.113 81.686,113.69 81.686,104.292 v1(82.474,103.505) ; v1(96.376,103.928) 96.393,103.911 v1(98.12,103.911) 98.234,103.798 105.635,103.798 105.752,103.915 105.752,112.29 105.41,112.632 105.41,113.414 v1(105.435,113.439) ; v1(115.824,117.983) 117.348,116.459 117.348,103.189 v1(117.372,103.165)
  Bottom Layer w0.3: 39.747,126.21 40.147,126.61 CN1.8@40.847,126.61 44.06,126.61 46.018,128.568 R32.2@48.565,128.568
IO5: MD1.29 P6.12 R38.2 U12.15 | length 115.3
  Top Layer w0.2: v1(58.979,109.132) 59.076,109.132 59.496,108.712 87.757,108.712 88.011,108.966 88.011,111.184 86.886,112.309 86.886,113.859 87.454,114.427 91.831,114.427 91.948,114.31 91.948,109.22 94.793,106.375 v1(94.793,104.343) ; v1(104.521,100.457) 104.521,101.497 v1(105.156,102.132) ; U12.15@105.181,98.12 105.231,98.17 105.986,98.17 106.469,98.653 106.469,99.076 107.188,99.796 107.416,99.796 v1(107.569,99.949) ; v1(111.199,99.949) 111.262,99.949 111.379,100.066 111.379,101.6 111.252,101.727 v1(111.199,101.727)
  Top Layer w0.3: v1(107.711,118.999) 107.782,118.999 110.703,121.92 MD1.29@113.139,121.92
  Bottom Layer w0.2: v1(58.979,109.132) R38.2@58.979,113.817 ; v1(94.793,104.343) 94.793,103.632 95.428,102.997 105.156,102.997 ; v1(104.521,100.457) 105.029,99.949 v1(107.569,99.949) v1(111.199,99.949) ; v1(105.156,102.132) 105.156,102.997 ; 106.426,106.68 106.426,102.997 105.156,102.997 ; v1(111.199,101.727) 118.745,101.727 P6.12@119.507,102.489
  Bottom Layer w0.3: 106.426,106.68 107.704,107.958 107.704,118.992 v1(107.711,118.999)